# Altium PCB ssmaster.PcbDoc (part 1 of 3) (continued)
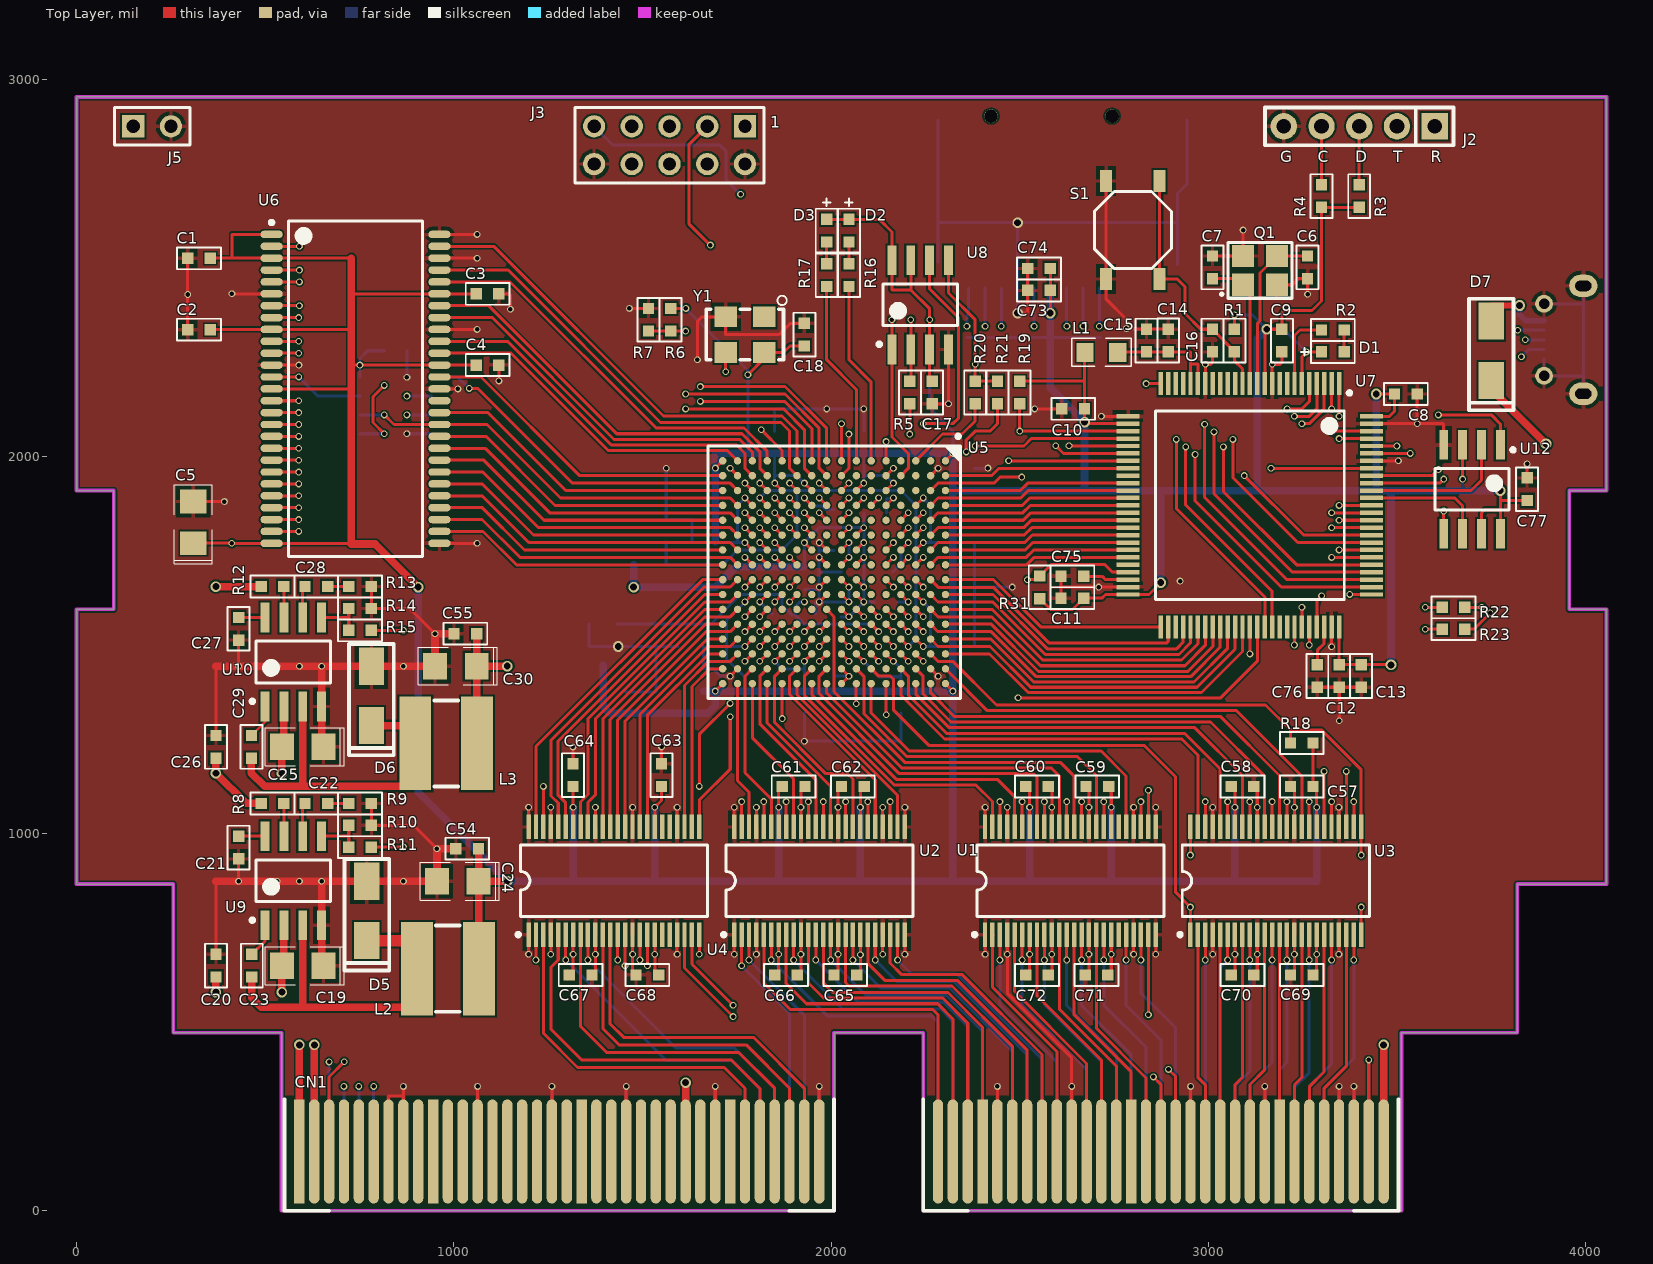
[diagram p0: Top Layer view]
## Components (designator, comment, footprint, x,y, rotation, side; value= is the part's Value field where it differs from the comment) (continued)
D7 "B340A" SMA 3750,2280 r90 top
J1 "MicroUSB" USB_MICRO_5S_B 3890,2309 r90 bottom locked
J2 "SIP5" SIP5 3400,2875 r180 top locked
J3 "JTAG" HDR2X5 1771.65,2875 r180 top
J4 "MicroSD" MICROSD-1 2300,2925 r90 bottom locked
J5 "ExtPower" HDR1X2 200,2875 r0 top
L1 "BLM21PG300SN1" R0805 2716.54,2275.59 r0 top
L2 "10uH" CDRH5D28 984.37,642 r90 top
L3 "4.7uH" CDRH5D28 979.37,1239 r90 top
L4 "BLM21PG300SN1" R0805 1519.69,1712.6 r0 bottom
Q1 "16M" SMD3225 3137,2493 r0 top
R1 "10K" R0603 3069,2307 r270 top
R2 "1K" R0603 3330,2335 r0 top
R3 "10K" R0603 3400,2690 r90 top
R4 "10K" R0603 3300,2690 r90 top
R5 "22" R0603 2208.66,2169.29 r270 top
R6 "0" R0603 1574.8,2362.2 r270 top
R7 "0(NC)" R0603 1515.75,2362.2 r90 top
R8 "100K" R0603 519.37,1080 r0 top
R9 "7.5K" R0603 751.37,1080 r180 top
R10 "10K" R0603 751.37,1022 r0 top
R11 "26.1K" R0603 751.37,964 r0 top
R12 "100K" R0603 519.37,1655 r0 top
R13 "4.99K" R0603 751.37,1655 r180 top
R14 "10K" R0603 751.37,1597 r0 top
R15 "3K" R0603 751.37,1539 r0 top
R16 "1K" R0603 2047.24,2480.32 r270 top
R17 "1K" R0603 1988.19,2480.32 r270 top
R18 "10K" R0603 3247.63,1240 r180 top
R19 "10K" R0603 2500,2169.29 r270 top
R20 "0" R0603 2381.89,2169.29 r90 top
R21 "0(NC)" R0603 2440.94,2169.29 r270 top
R22 "22" R0603 3650,1600 r0 top
R23 "22" R0603 3650,1542 r0 top
R24 "10K" R0603 2716,2345 r270 bottom
R25 "10K" R0603 2668,2345 r270 bottom
R26 "10K" R0603 2620,2345 r270 bottom
R27 "10K" R0603 2538,2345 r270 bottom
R28 "10K" R0603 2451,2345 r270 bottom
R29 "10K" R0603 2405,2345 r270 bottom
R30 "10K" R0603 2360,2345 r270 bottom
R31 "10K" R0603 2553,1653 r90 top
S1 "SW-PB" SW4_5X5 2800,2600 r90 top locked
U1 "SN74LVC164245A" DGG048 2634.37,875 r0 top locked
U2 "SN74LVC164245A" DGG048 1969.37,875 r0 top
U3 "SN74LVC164245A" DGG048 3178.87,875 r0 top locked
U4 "SN74LVC164245A" DGG048 1424.37,875 r0 top
U5 "EP4CE6F17C8" FBGA256 2007.87,1692.91 r270 top locked
U6 "K4S511632B-TC75" 54_TSOP2_400AF_N 739.37,2179 r0 top locked
U7 "STM32H750VBT6" TQFP-100 3110.24,1870.08 r270 top locked
U8 "SST25FV080B" SOIC-8 2236.22,2401.57 r90 top
U9 "MP1482" SOIC-8 574.37,875 r90 top
U10 "MP1482" SOIC-8 574.37,1455 r90 top
U11 "XC6206" sot-23-xc6206 1395.63,1501 r270 bottom
U12 "SPI_FLASH" SOIC-8 3699,1913 r270 top locked
U13 "SPI_SRAM" sop-8_n 845.63,2135 r180 bottom locked
Y1 "50Mhz" OSC_5032 1771.65,2322.83 r180 top

## Footprints (in the part's own frame and the unit in brackets; to place one, negate y for a bottom-side part, rotate by r counter-clockwise, add the part's x,y. Pads: shape width x height; smd on the part's side, far side on the other; paste and mask are expansions set on the pad)
54_TSOP2_400AF_N [mm] "SOP, 54-Leads, Body 22.5x10.16mm, Pitch 0.8mm, IPC Medium Density"
  oval 1.5x0.5 smd: 1(-5.65,10.4) 2(-5.65,9.6) 3(-5.65,8.8) 4(-5.65,8) 5(-5.65,7.2) 6(-5.65,6.4) 7(-5.65,5.6) 8(-5.65,4.8) 9(-5.65,4) 10(-5.65,3.2) 11(-5.65,2.4) 12(-5.65,1.6) 13(-5.65,0.8) 14(-5.65,0) 15(-5.65,-0.8) 16(-5.65,-1.6) 17(-5.65,-2.4) 18(-5.65,-3.2) 19(-5.65,-4) 20(-5.65,-4.8) 21(-5.65,-5.6) 22(-5.65,-6.4) 23(-5.65,-7.2) 24(-5.65,-8) 25(-5.65,-8.8) 26(-5.65,-9.6) 27(-5.65,-10.4) 28(5.65,-10.4) 29(5.65,-9.6) 30(5.65,-8.8) 31(5.65,-8) 32(5.65,-7.2) 33(5.65,-6.4) 34(5.65,-5.6) 35(5.65,-4.8) 36(5.65,-4) 37(5.65,-3.2) 38(5.65,-2.4) 39(5.65,-1.6) 40(5.65,-0.8) 41(5.65,0) 42(5.65,0.8) 43(5.65,1.6) 44(5.65,2.4) 45(5.65,3.2) 46(5.65,4) 47(5.65,4.8) 48(5.65,5.6) 49(5.65,6.4) 50(5.65,7.2) 51(5.65,8) 52(5.65,8.8) 53(5.65,9.6) 54(5.65,10.4)
  silkscreen extent -5.77,-11.3 4.5,11.32, body extent -5.08,-11.23 5.08,11.23, height 1.2
C0603 [mil]
  rect 30x30 smd: 1(30,0) 2(-30,0)
  silkscreen extent -58,-29 58,29, body extent -32,-16 31,16, height 35
C1206 [mm]
  rect 1.6x1.8 smd: 1(-1.4,0) 2(1.4,0)
  silkscreen extent -2.8,-1.27 2.54,1.27, body extent -1.57,-0.81 1.63,0.8, height 1.02
CDRH5D28 [mm]
  rect 6.3x2.15 smd: 1(0,2.075) 2(0,-2.075)
  silkscreen extent -2.9,-0.8 2.9,0.8
D0603 [mil]
  rect 30x30 smd: 1(30,0) 2(-30,0)
  silkscreen extent -58,-29 85,29, body extent -32,-16 31,16, height 35
DGG048 [mm] "Shrink Small Outline; 48 Leads; Body Width 6.1 mm; Pitch 0.5 mm"
  rect 0.3x1.65 smd: 1(-5.75,-3.625) 2(-5.25,-3.625) 3(-4.75,-3.625) 4(-4.25,-3.625) 5(-3.75,-3.625) 6(-3.25,-3.625) 7(-2.75,-3.625) 8(-2.25,-3.625) 9(-1.75,-3.625) 10(-1.25,-3.625) 11(-0.75,-3.625) 12(-0.25,-3.625) 13(0.25,-3.625) 14(0.75,-3.625) 15(1.25,-3.625) 16(1.75,-3.625) 17(2.25,-3.625) 18(2.75,-3.625) 19(3.25,-3.625) 20(3.75,-3.625) 21(4.25,-3.625) 22(4.75,-3.625) 23(5.25,-3.625) 24(5.75,-3.625) 25(5.75,3.625) 26(5.25,3.625) 27(4.75,3.625) 28(4.25,3.625) 29(3.75,3.625) 30(3.25,3.625) 31(2.75,3.625) 32(2.25,3.625) 33(1.75,3.625) 34(1.25,3.625) 35(0.75,3.625) 36(0.25,3.625) 37(-0.25,3.625) 38(-0.75,3.625) 39(-1.25,3.625) 40(-1.75,3.625) 41(-2.25,3.625) 42(-2.75,3.625) 43(-3.25,3.625) 44(-3.75,3.625) 45(-4.25,3.625) 46(-4.75,3.625) 47(-5.25,3.625) 48(-5.75,3.625)
  silkscreen extent -6.57,-3.75 6.3,2.4
FBGA256 [mm] "BGA, 256-Leads, Body 17x17mm, Pitch 1mm"
  round 0.5 smd: A1(-7.5,7.5) A2(-6.5,7.5) A3(-5.5,7.5) A4(-4.5,7.5) A5(-3.5,7.5) A6(-2.5,7.5) A7(-1.5,7.5) A8(-0.5,7.5) A9(0.5,7.5) A10(1.5,7.5) A11(2.5,7.5) A12(3.5,7.5) A13(4.5,7.5) A14(5.5,7.5) A15(6.5,7.5) A16(7.5,7.5) B1(-7.5,6.5) B2(-6.5,6.5) B3(-5.5,6.5) B4(-4.5,6.5) B5(-3.5,6.5) B6(-2.5,6.5) B7(-1.5,6.5) B8(-0.5,6.5) B9(0.5,6.5) B10(1.5,6.5) B11(2.5,6.5) B12(3.5,6.5) B13(4.5,6.5) B14(5.5,6.5) B15(6.5,6.5) B16(7.5,6.5) C1(-7.5,5.5) C2(-6.5,5.5) C3(-5.5,5.5) C4(-4.5,5.5) C5(-3.5,5.5) C6(-2.5,5.5) C7(-1.5,5.5) C8(-0.5,5.5) C9(0.5,5.5) C10(1.5,5.5) C11(2.5,5.5) C12(3.5,5.5) C13(4.5,5.5) C14(5.5,5.5) C15(6.5,5.5) C16(7.5,5.5) D1(-7.5,4.5) D2(-6.5,4.5) D3(-5.5,4.5) D4(-4.5,4.5) D5(-3.5,4.5) D6(-2.5,4.5) D7(-1.5,4.5) D8(-0.5,4.5) D9(0.5,4.5) D10(1.5,4.5) D11(2.5,4.5) D12(3.5,4.5) D13(4.5,4.5) D14(5.5,4.5) D15(6.5,4.5) D16(7.5,4.5) E1(-7.5,3.5) E2(-6.5,3.5) E3(-5.5,3.5) E4(-4.5,3.5) E5(-3.5,3.5) E6(-2.5,3.5) E7(-1.5,3.5) E8(-0.5,3.5) E9(0.5,3.5) E10(1.5,3.5) E11(2.5,3.5) E12(3.5,3.5) E13(4.5,3.5) E14(5.5,3.5) E15(6.5,3.5) E16(7.5,3.5) F1(-7.5,2.5) F2(-6.5,2.5) F3(-5.5,2.5) F4(-4.5,2.5) F5(-3.5,2.5) F6(-2.5,2.5) F7(-1.5,2.5) F8(-0.5,2.5) F9(0.5,2.5) F10(1.5,2.5) F11(2.5,2.5) F12(3.5,2.5) F13(4.5,2.5) F14(5.5,2.5) F15(6.5,2.5) F16(7.5,2.5) G1(-7.5,1.5) G2(-6.5,1.5) G3(-5.5,1.5) G4(-4.5,1.5) G5(-3.5,1.5) G6(-2.5,1.5) G7(-1.5,1.5) G8(-0.5,1.5) G9(0.5,1.5) G10(1.5,1.5) G11(2.5,1.5) G12(3.5,1.5) G13(4.5,1.5) G14(5.5,1.5) G15(6.5,1.5) G16(7.5,1.5) H1(-7.5,0.5) H2(-6.5,0.5) H3(-5.5,0.5) H4(-4.5,0.5) H5(-3.5,0.5) H6(-2.5,0.5) H7(-1.5,0.5) H8(-0.5,0.5) H9(0.5,0.5) H10(1.5,0.5) H11(2.5,0.5) H12(3.5,0.5) H13(4.5,0.5) H14(5.5,0.5) H15(6.5,0.5) H16(7.5,0.5) J1(-7.5,-0.5) J2(-6.5,-0.5) J3(-5.5,-0.5) J4(-4.5,-0.5) J5(-3.5,-0.5) J6(-2.5,-0.5) J7(-1.5,-0.5) J8(-0.5,-0.5) J9(0.5,-0.5) J10(1.5,-0.5) J11(2.5,-0.5) J12(3.5,-0.5) J13(4.5,-0.5) J14(5.5,-0.5) J15(6.5,-0.5) J16(7.5,-0.5) K1(-7.5,-1.5) K2(-6.5,-1.5) K3(-5.5,-1.5) K4(-4.5,-1.5) K5(-3.5,-1.5) K6(-2.5,-1.5) K7(-1.5,-1.5) K8(-0.5,-1.5) K9(0.5,-1.5) K10(1.5,-1.5) K11(2.5,-1.5) K12(3.5,-1.5) K13(4.5,-1.5) K14(5.5,-1.5) K15(6.5,-1.5) K16(7.5,-1.5) L1(-7.5,-2.5) L2(-6.5,-2.5) L3(-5.5,-2.5) L4(-4.5,-2.5) L5(-3.5,-2.5) L6(-2.5,-2.5) L7(-1.5,-2.5) L8(-0.5,-2.5) L9(0.5,-2.5) L10(1.5,-2.5) L11(2.5,-2.5) L12(3.5,-2.5) L13(4.5,-2.5) L14(5.5,-2.5) L15(6.5,-2.5) L16(7.5,-2.5) M1(-7.5,-3.5) M2(-6.5,-3.5) M3(-5.5,-3.5) M4(-4.5,-3.5) M5(-3.5,-3.5) M6(-2.5,-3.5) M7(-1.5,-3.5) M8(-0.5,-3.5) M9(0.5,-3.5) M10(1.5,-3.5) M11(2.5,-3.5) M12(3.5,-3.5) M13(4.5,-3.5) M14(5.5,-3.5) M15(6.5,-3.5) M16(7.5,-3.5) N1(-7.5,-4.5) N2(-6.5,-4.5) N3(-5.5,-4.5) N4(-4.5,-4.5) N5(-3.5,-4.5) N6(-2.5,-4.5) N7(-1.5,-4.5) N8(-0.5,-4.5) N9(0.5,-4.5) N10(1.5,-4.5) N11(2.5,-4.5) N12(3.5,-4.5) N13(4.5,-4.5) N14(5.5,-4.5) N15(6.5,-4.5) N16(7.5,-4.5) P1(-7.5,-5.5) P2(-6.5,-5.5) P3(-5.5,-5.5) P4(-4.5,-5.5) P5(-3.5,-5.5) P6(-2.5,-5.5) P7(-1.5,-5.5) P8(-0.5,-5.5) P9(0.5,-5.5) P10(1.5,-5.5) P11(2.5,-5.5) P12(3.5,-5.5) P13(4.5,-5.5) P14(5.5,-5.5) P15(6.5,-5.5) P16(7.5,-5.5) R1(-7.5,-6.5) R2(-6.5,-6.5) R3(-5.5,-6.5) R4(-4.5,-6.5) R5(-3.5,-6.5) R6(-2.5,-6.5) R7(-1.5,-6.5) R8(-0.5,-6.5) R9(0.5,-6.5) R10(1.5,-6.5) R11(2.5,-6.5) R12(3.5,-6.5) R13(4.5,-6.5) R14(5.5,-6.5) R15(6.5,-6.5) R16(7.5,-6.5) T1(-7.5,-7.5) T2(-6.5,-7.5) T3(-5.5,-7.5) T4(-4.5,-7.5) T5(-3.5,-7.5) T6(-2.5,-7.5) T7(-1.5,-7.5) T8(-0.5,-7.5) T9(0.5,-7.5) T10(1.5,-7.5) T11(2.5,-7.5) T12(3.5,-7.5) T13(4.5,-7.5) T14(5.5,-7.5) T15(6.5,-7.5) T16(7.5,-7.5)
  silkscreen extent -9.27,-8.5 8.5,8.5, body extent -8.5,-8.5 8.5,8.5, height 2.2
HDR1X2 [mm] "Connector; Header; 2 Position"
  rect 1.5x1.5 hole 0.9: 1(-1.27,0)
  round 1.5 hole 0.9: 2(1.27,0)
  silkscreen extent -2.54,-1.27 2.54,1.27, body extent -2.54,-1.27 2.54,1.27, height 8.6
HDR2X5 [mm] "Connector; Header; 5x2 Position"
  rect 1.5x1.5 hole 0.9: 1(0,0)
  round 1.5 hole 0.9: 2(0,2.54) 3(2.54,0) 4(2.54,2.54) 5(5.08,0) 6(5.08,2.54) 7(7.62,0) 8(7.62,2.54) 9(10.16,0) 10(10.16,2.54)
  silkscreen extent -1.27,-1.27 11.43,3.81
MICROSD-1 [mm] "MicroSD"
  rect 2x0.7 smd: 1(-12.167,10.439) 2(-12.167,9.339) 3(-12.167,8.239) 4(-12.167,7.139) 5(-12.167,6.039) 6(-12.167,4.939) 7(-12.167,3.839) 8(-12.167,2.739) 9(-12.167,1.639)
  rect 1x2 smd: 10(-10.566,15.697) 11(-10.439,-0.406)
  rect 1.7x2 smd: 12(-0.838,-0.406) 13(-0.838,16.358)
  round 0.9 hole 0.9: MH1(-0.584,11.303) MH2(-0.584,3.15)
  silkscreen extent -11.17,0.84 3.56,15.54, body extent -11.82,0.13 3.43,16.13, height 1.85
OSC_5032 [mm]
  rect 1.5x1.4 smd: 1(-1.3,-1.2) 2(1.3,-1.2) 3(1.3,1.2) 4(-1.3,1.2)
  silkscreen extent -2.82,-2.62 2.6,1.7
R0603 [mil]
  rect 30x30 smd: 1(30,0) 2(-30,0)
  silkscreen extent -58,-29 58,29, body extent -32,-16 31,16, height 36
R0805 [mm]
  rect 1.15x1.3 smd: 1(-1.1,0) 2(1.1,0)
  silkscreen extent -2.01,-0.94 2.01,0.97, body extent -1,-0.61 1,0.6, height 0.5
SATURN_CART [mm]
  rect 0.7x7 smd far side: A1(0,0) A10(9,0) A20(19,0) A30(29,0) A40(46,0) A50(56,0) A60(66,0)
  oval 0.7x7 smd far side: A2(1,0) A3(2,0) A4(3,0) A5(4,0) A6(5,0) A7(6,0) A8(7,0) A9(8,0) A11(10,0) A12(11,0) A13(12,0) A14(13,0) A15(14,0) A16(15,0) A17(16,0) A18(17,0) A19(18,0) A21(20,0) A22(21,0) A23(22,0) A24(23,0) A25(24,0) A26(25,0) A27(26,0) A28(27,0) A29(28,0) A31(30,0) A32(31,0) A33(32,0) A34(33,0) A35(34,0) A36(35,0) A37(43,0) A38(44,0) A39(45,0) A41(47,0) A42(48,0) A43(49,0) A44(50,0) A45(51,0) A46(52,0) A47(53,0) A48(54,0) A49(55,0) A51(57,0) A52(58,0) A53(59,0) A54(60,0) A55(61,0) A56(62,0) A57(63,0) A58(64,0) A59(65,0) A61(67,0) A62(68,0) A63(69,0) A64(70,0) A65(71,0) A66(72,0) A67(73,0)
  rect 0.7x7 smd: B1(0,0) B10(9,0) B20(19,0) B30(29,0) B40(46,0) B50(56,0) B60(66,0)
  oval 0.7x7 smd: B2(1,0) B3(2,0) B4(3,0) B5(4,0) B6(5,0) B7(6,0) B8(7,0) B9(8,0) B11(10,0) B12(11,0) B13(12,0) B14(13,0) B15(14,0) B16(15,0) B17(16,0) B18(17,0) B19(18,0) B21(20,0) B22(21,0) B23(22,0) B24(23,0) B25(24,0) B26(25,0) B27(26,0) B28(27,0) B29(28,0) B31(30,0) B32(31,0) B33(32,0) B34(33,0) B35(34,0) B36(35,0) B37(43,0) B38(44,0) B39(45,0) B41(47,0) B42(48,0) B43(49,0) B44(50,0) B45(51,0) B46(52,0) B47(53,0) B48(54,0) B49(55,0) B51(57,0) B52(58,0) B53(59,0) B54(60,0) B55(61,0) B56(62,0) B57(63,0) B58(64,0) B59(65,0) B61(67,0) B62(68,0) B63(69,0) B64(70,0) B65(71,0) B66(72,0) B67(73,0)
  silkscreen extent -1,-4 74,3.5
SIP5 [mil]
  rect 70x70 hole 39: 1(-200,0)
  round 70 hole 39: 2(-100,0) 3(0,0) 4(100,0) 5(200,0)
  silkscreen extent -250,-50 250,50
SMA [mm]
  rect 2.5x1.7 smd: 1(2,0) 2(-2,0)
  silkscreen extent -4,-1.5 3.5,1.5
SMD3225 [mm]
  rect 1.5x1.5 smd: 1(-1.15,-0.975) 2(1.15,-0.975) 3(1.15,0.975) 4(-1.15,0.975)
  silkscreen extent -2.66,-1.88 2.15,1.88, body extent -1.6,-1.25 1.6,1.25, height 0.61
SOIC-8 [mm]
  rect 2x0.6 smd: 1(-3,1.905) 2(-3,0.635) 3(-3,-0.635) 4(-3,-1.905) 5(3,-1.905) 6(3,-0.635) 7(3,0.635) 8(3,1.905)
  silkscreen extent -2.77,-2.5 1.4,2.88, body extent -3.05,-2.44 3.05,2.46, height 1.51
sop-8_n [mm] "8-Pin Small Outline Integrated Circuit 1.27 mm Pitch, IPC Medium Density"
  oval 2.2x0.6 smd: 1(-2.4,1.905) 2(-2.4,0.635) 3(-2.4,-0.635) 4(-2.4,-1.905) 5(2.4,-1.905) 6(2.4,-0.635) 7(2.4,0.635) 8(2.4,1.905)
  silkscreen extent -2.53,-2.5 0.9,2.88, body extent -2.92,-2.45 2.86,2.45, height 1.45
sot-23-xc6206 [mm]
  rect 1.25x0.85 smd: 1(-1.395,0.95) 2(-1.395,-0.95) 3(1.395,0)
  silkscreen extent -1.42,-1.5 0.7,2.05, body extent -1.12,-1.47 1.17,1.45, height 1.04
SW4_5X5 [mm]
  rect 1.5x0.8 smd: 1(-3.3,1.8) 1(3.3,1.8) 2(-3.3,-1.8) 2(3.3,-1.8)
  silkscreen extent -2.6,-2.6 2.6,2.6
TQFP-100 [mm]
  rect 1.55x0.3 smd: 1(-8.2,6) 2(-8.2,5.5) 3(-8.2,5) 4(-8.2,4.5) 5(-8.2,4) 6(-8.2,3.5) 7(-8.2,3) 8(-8.2,2.5) 9(-8.2,2) 10(-8.2,1.5) 11(-8.2,1) 12(-8.2,0.5) 13(-8.2,0) 14(-8.2,-0.5) 15(-8.2,-1) 16(-8.2,-1.5) 17(-8.2,-2) 18(-8.2,-2.5) 19(-8.2,-3) 20(-8.2,-3.5) 21(-8.2,-4) 22(-8.2,-4.5) 23(-8.2,-5) 24(-8.2,-5.5) 25(-8.2,-6) 51(8.2,-6) 52(8.2,-5.5) 53(8.2,-5) 54(8.2,-4.5) 55(8.2,-4) 56(8.2,-3.5) 57(8.2,-3) 58(8.2,-2.5) 59(8.2,-2) 60(8.2,-1.5) 61(8.2,-1) 62(8.2,-0.5) 63(8.2,0) 64(8.2,0.5) 65(8.2,1) 66(8.2,1.5) 67(8.2,2) 68(8.2,2.5) 69(8.2,3) 70(8.2,3.5) 71(8.2,4) 72(8.2,4.5) 73(8.2,5) 74(8.2,5.5) 75(8.2,6)
  rect 0.3x1.55 smd: 26(-6,-8.2) 27(-5.5,-8.2) 28(-5,-8.2) 29(-4.5,-8.2) 30(-4,-8.2) 31(-3.5,-8.2) 32(-3,-8.2) 33(-2.5,-8.2) 34(-2,-8.2) 35(-1.5,-8.2) 36(-1,-8.2) 37(-0.5,-8.2) 38(0,-8.2) 39(0.5,-8.2) 40(1,-8.2) 41(1.5,-8.2) 42(2,-8.2) 43(2.5,-8.2) 44(3,-8.2) 45(3.5,-8.2) 46(4,-8.2) 47(4.5,-8.2) 48(5,-8.2) 49(5.5,-8.2) 50(6,-8.2) 76(6,8.2) 77(5.5,8.2) 78(5,8.2) 79(4.5,8.2) 80(4,8.2) 81(3.5,8.2) 82(3,8.2) 83(2.5,8.2) 84(2,8.2) 85(1.5,8.2) 86(1,8.2) 87(0.5,8.2) 88(0,8.2) 89(-0.5,8.2) 90(-1,8.2) 91(-1.5,8.2) 92(-2,8.2) 93(-2.5,8.2) 94(-3,8.2) 95(-3.5,8.2) 96(-4,8.2) 97(-4.5,8.2) 98(-5,8.2) 99(-5.5,8.2) 100(-6,8.2)
  silkscreen extent -7.7,-6.35 6.35,6.83, body extent -8.03,-8.03 8.03,8.02, height 1.76
USB_MICRO_5S_B [mil] "USB Micro SMT 5S B"
  rect 15x54 smd: 1(51,0) 2(25.5,0) 3(0,0) 4(-25.5,0) 5(-51,0)
  oval 59.06x74.8 hole 27.56 slot 43.31 at 90 deg: 6(-143,104) 7(143,104)
  round 47.24 hole 27.5: 8(95.5,0) 9(-95.5,0)
  silkscreen extent -143,0 143,189, body extent -161,-9 161,204, height 105

## Part data
C1 C2 C3 C4 C5 C6 C7 C8 C9 C10 C11 C12 C13 C14 C15 C16 C17 C18 C19 C20 C21 C22 C23 C24 C25 C26 C27 C28 C29 C30 C31 C32 C33 C34 C35 C36 C37 C38 C39 C40 C41 C42 C43 C44 C45 C46 C47 C48 C49 C50 C51 C52 C53 C54 C55 C56 C57 C58 C59 C60 C61 C62 C63 C64 C65 C66 C67 C68 C69 C70 C71 C72 C73 C74 C75 C76 C77 C78: library part Cap, "Capacitor"
D1 D2 D3: library part LED1, "Typical RED GaAs LED"
D5 D6 D7: library part "DIODE SCHOTTKY", "Schottky Diode"
J1: library part USB_Micro_5S_B, "USB micro female SMT with 4 fixed foot"
J3: library part "Header 5X2", "Header, 5-Pin, Dual row"
J5: library part "Header 2", "Header, 2-Pin"
L1 L2 L3 L4: library part Inductor, "Inductor"
Q1: library part XTAL_SMD2016_32MHz_8pF_General, "XTAL SMD 2016, 32MHz, Cl=8pF, Total Tol: ±40ppm"
R1 R2 R3 R4 R5 R6 R7 R8 R9 R10 R11 R12 R13 R14 R15 R16 R17 R18 R19 R20 R21 R22 R23 R24 R25 R26 R27 R28 R29 R30 R31: library part Res2, "Resistor"
S1: "Switch"
U5: "Cyclone IV Family FPGA, 2V Core, 179 I/O Pins, 2 PLLs, 256-Pin FBGA, Speed Grade 8, Commercial Grade"
U6: "512Mb Synchronous High Data Rate DRAM, 8Mb x 16Bit x 4 Banks, 54-Pin TSOP"
U11: "LDO"
U12 U13: library part SPIMEM
Y1: library part JZSMD5X7

## Via types
v1: diameter 18, hole 12, Top Layer to Bottom Layer, 444 vias
v2: diameter 28, hole 18, Top Layer to Bottom Layer, 25 vias

## Nets (pads, with @x,y where several pads share a name; then routed paths per layer and width w, separated by ;. In a path a pad name is that pad's centre, name@x,y a point inside that pad or via, vN(x,y) a via of type N, cw(c..) or ccw(c..) an arc to the next point about the centre after c; other vN are vias at no path point)
1V2: C30.1 C33.2 C34.2 C35.2 C36.2 C37.2 C38.2 C55.2 L3.2 L4.1 R15.1 U5.G6 U5.G7 U5.G8 U5.G9 U5.G10 U5.H6 U5.H11 U5.K7 | length 2583.1
  Top Layer w8: R15.1@781.37,1539 v1@865.77,1539 ; v1(1929.13,1771.65) U5.K7@1948.82,1751.97 ; U5.H11@2027.56,1594.49 v1(2047.24,1574.8) ; U5.H6@2027.56,1791.34 v1(2047.24,1811.02) ; U5.G10@2066.93,1633.86 v1(2086.62,1614.17) ; U5.G9@2066.93,1673.23 v1(2086.62,1653.54) ; U5.G8@2066.93,1712.6 v1(2086.62,1732.28) ; U5.G7@2066.93,1751.97 v1(2086.62,1771.65) ; U5.G6@2066.93,1791.34 v1(2086.62,1811.02)
  Top Layer w20: C30.1@1060.49,1444 C30.1@1061.06,1444 ; L3.2@1061.06,1239 C30.1@1061.06,1444 ; C55.2@1061.06,1529.31 C30.1@1061.06,1444 ; v2(1141.73,1444) C30.1@1061.06,1444
  Mid-Layer 1 w8: v1(866.14,1539.37) 961.51,1444 v2(1141.73,1444)
  Mid-Layer 1 w20: v2(1141.73,1444) 1141.73,1535.43 1259.84,1653.54 v2(1476.38,1653.54)
  Bottom Layer w8: v1(1929.13,1771.65) 1968.58,1811.1 C35.2@2007.87,1811.1 ; C37.2@1929.37,1707.44 v1@1929.37,1771.42 ; C35.2@2007.87,1811.02 v1(2047.24,1811.02) v1(2086.62,1811.02) ; C38.2@2026.06,1574.8 v1(2047.24,1574.8) v1(2086.62,1614.17) ; C33.2@2086.61,1850.39 v1(2086.62,1811.02) ; C34.2@2115.67,1614.17 v1(2086.62,1614.17) ; v1(2086.62,1614.17) v1(2086.62,1653.54) v1(2086.62,1732.28) v1(2086.62,1771.65) v1(2086.62,1811.02)
  Bottom Layer w20: L4.1@1476.38,1712.6 v2(1476.38,1653.54) 1692.91,1653.54 1746.81,1707.44 C37.2@1929.37,1707.44
2V5: C32.2 C52.2 C53.2 C56.2 U5.F12 U5.L5 U11.2 | length 1164.9
  Top Layer w8: v1(1889.76,1850.39) U5.L5@1909.45,1830.71 ; U5.F12@2106.3,1555.12 v1(2125.99,1535.43)
  Mid-Layer 1 w8: v1(1889.76,1850.39) 1889.76,1838.58 1909.45,1818.9 1909.45,1633.86 v1(1929.13,1614.17)
  Bottom Layer w8: U11.2@1433.03,1555.92 1536.29,1555.92 C32.2@1536.37,1556 ; C32.2@1536.37,1555.92 1681.91,1555.92 1759.84,1633.86 1859.77,1633.86 1869.63,1624 1869.63,1606 C52.2@1895.75,1579.88 ; v1(1929.13,1614.17) 1916.8,1614.17 1904.37,1601.74 C52.2@1904.37,1582 1904.37,1579.88 1929.13,1555.12 2106.3,1555.12 v1(2125.99,1535.43) ; C53.2@2007.87,1518.19 2007.87,1555.12
3V3: C1.2 C2.2 C3.2 C4.2 C5.1 C8.2 C9.2 C10.2 C11.2 C12.2 C13.2 C17.2 C18.2 C24.1 C31.2 C39.2 C40.2 C41.2 C42.2 C43.2 C44.2 C45.2 C46.2 C47.2 C48.2 C54.2 C57.2 C58.2 C59.2 C60.2 C61.2 C62.2 C63.2 C64.2 C73.2 C74.2 C77.2 C78.2 D1.1 D2.1 D3.1 J3.4 J4.4 L1.1 L2.2 R1.2 R3.2 R4.2 R6.2 R11.1 R18.2 R19.2 R24.1 R25.1 R26.1 R27.1 R28.1 R29.1 R30.1 R31.2 U1.31 U1.42 U2.31 U2.42 U3.31 U3.42 U4.31 U4.42 U5.A1 U5.A16 U5.C4 U5.C7 U5.C10 U5.C13 U5.E3 U5.E14 U5.G3 U5.G14 U5.K3 U5.K14 U5.M3 U5.M14 U5.P4 U5.P7 U5.P10 U5.P13 U5.T1 U5.T16 U6.1 U6.3 U6.9 U6.14 U6.27 U6.43 U6.49 U7.6 U7.11 U7.27 U7.50 U7.75 U7.100 U8.3 U8.7 U8.8 U11.3 U12.3 U12.7 U12.8 U13.8 Y1.4 | length 23695.2
  Top Layer w8: C5.1@309.37,1769.88 v1(411.48,1769.88) ; C1.2@354.83,2525.46 411.81,2525.46 ; C2.2@354.85,2336.48 U6.9@516.93,2336.48 726.51,2336.48 ; v1@411.81,1769.55 U6.27@516.93,1769.55 726.51,1769.55 ; U6.14@516.93,2179 726.24,2179 ; U6.1@516.93,2588.45 411.81,2588.45 411.81,2525.46 ; 726.51,2525.46 U6.3@516.93,2525.46 411.81,2525.46 ; 730.18,2241.99 U6.43@961.81,2241.99 C4.2@1059.37,2242 ; 730.45,2430.97 U6.49@961.81,2430.97 C3.2@1059.37,2431 ; R11.1@781.37,964 v1@865.58,964 ; U4.42@1316.1,1017.72 v1(1316.1,1070) C64.2@1316.1,1124.53 ; U4.31@1532.64,1017.72 v1(1532.64,1070) 1550.63,1087.99 C63.2@1550.63,1125 ; R6.2@1574.8,2392.2 v1(1615,2392.2) ; v1(1692.91,1377.95) U5.T16@1712.6,1397.64 ; v1(1693.41,1969) U5.T1@1712.6,1988.19 ; v1(1771.65,1496.06) U5.P13@1791.34,1515.75 ; v1(1771.65,1614.17) U5.P10@1791.34,1633.86 ; v1(1771.65,1771.65) U5.P7@1791.34,1751.97 ; v1(1771.65,1889.76) U5.P4@1791.34,1870.08 ; v1(1779.53,2216.54) 1822.83,2259.84 Y1.4@1822.83,2275.59 1874.02,2275.59 1891.26,2292.83 C18.2@1929.13,2292.83 ; v1(1850.39,1456.69) U5.M14@1870.08,1476.38 ; v1(1850.39,1929.13) U5.M3@1870.08,1909.45 ; U2.42@1861.1,1017.72 v1(1861.1,1070) C61.2@1861.1,1115.47 ; v1(1929.13,1456.69) U5.K14@1948.82,1476.38 ; v1(1929.13,1929.13) U5.K3@1948.82,1909.45 ; D3.1@1988.19,2628.43 2127.48,2628.43 2161.22,2594.68 U8.8@2161.22,2519.68 2161.22,2441.14 2211.22,2441.14 ; U5.G14@2066.93,1476.38 v1(2086.62,1456.69) ; U5.G3@2066.93,1909.45 v1(2086.62,1929.13) ; U2.31@2077.64,1017.72 v1(2077.64,1070) C62.2@2077.64,1115.01 ; U5.E14@2145.67,1476.38 v1(2165.36,1456.69) ; U5.E3@2145.67,1909.45 v1(2165.36,1929.13) ; U8.7@2211.22,2519.68 2211.22,2441.14 ; U5.C13@2224.41,1515.75 v1(2244.1,1496.06) ; U5.C10@2224.41,1633.86 v1(2244.1,1614.17) ; U5.C7@2224.41,1751.97 v1(2244.1,1771.65) ; U5.C4@2224.41,1870.08 v1(2244.1,1889.76) ; C17.2@2261.22,2205.79 U8.3@2261.22,2283.46 v1(2261.22,2362.2) 2261.22,2391.14 2211.22,2441.14 ; U5.A16@2303.15,1397.64 v1(2322.84,1377.95) ; U5.A1@2303.15,1988.19 v1(2322.84,2007.88) ; R19.2@2500,2199.29 2669.29,2199.29 ; U1.42@2526.1,1017.72 v1(2526.1,1070) C60.2@2526.1,1114.53 ; R31.2@2553,1623 2582,1594 2639.63,1594 C11.2@2669.63,1624 2717.63,1624 2727.49,1633.86 U7.50@2787.4,1633.86 2842.52,1633.86 v2(2874.02,1665.35) ; v2@2581,2380.08 C73.2@2581,2440 C74.2@2581,2498 ; v2@2671.73,2091 C10.2@2671.73,2125.98 L1.1@2671.73,2274.09 ; v2@2676.12,2086.61 U7.27@2787.4,2086.61 ; U1.31@2742.64,1017.72 v1(2742.64,1070) C59.2@2742.64,1117.99 ; R1.2@3069,2337 v1(3069,2375) ; U3.42@3070.6,1017.72 v1(3070.6,1070) C58.2@3070.6,1115.03 ; U7.11@3149.61,2192.91 3149.61,2331.61 v2(3155,2337) C9.2@3195,2337 3195,2382 3200,2387 3275,2387 3300,2412 R4.2@3300,2660 R3.2@3400,2660 ; U7.6@3248.03,2192.91 3248.03,2265.03 v1(3260,2277) D1.1@3300,2277 ; C57.2@3277.63,1125 R18.2@3277.63,1240 ; U3.31@3287.14,1017.72 v1(3287.14,1070) C57.2@3287.14,1115.49 ; C12.2@3346.46,1445.09 U7.75@3346.46,1547.24 ; C12.2@3347,1448 C13.2@3405,1448 3483.57,1448 v2(3484.25,1447.32) ; U7.100@3433.07,2106.3 3480.31,2106.3 3493.62,2119.61 C8.2@3493.62,2165.35 v2(3444.88,2165.35) ; v1(3674,1940) U12.3@3674,2031.11 ; U12.7@3724,1794.89 3724,1850 3732,1858 3774,1858 ; U12.8@3774,1794.89 3774,1858 ; v2(3774,1909.45) 3774,1858 ; 3774.72,1883 C77.2@3845,1883
  Top Layer w20: 728.35,2525.46 728.35,1767.72 791.34,1767.72 v2(905.51,1653.54) ; C24.1@1065.49,874 v2@1141.72,874 ; L2.2@1066.06,642 C54.2@1066.06,959.31
  Mid-Layer 1 w8: v1(866.14,964.57) 956.69,874.02 v2(1141.73,874.02) ; v1(1615,2392.2) 1615,2718.35 J3.4@1671.65,2775
  Bottom Layer w8: U13.8@751.14,2210 v1(751.14,2242) 751.14,2259.51 771.63,2280 C78.2@815.63,2280 ; v1(1615,2392.2) 1779.53,2227.68 v1(1779.53,2216.54) 1779.53,2007.88 ; C40.2@1694.41,1771.65 1751.97,1771.65 ; 1770.16,1379.45 1770.16,1415.83 1722.91,1463.07 C41.2@1722.91,1496.06 ; v1(1771.65,1496.06) C41.2@1722.91,1496.06 ; v1(1771.65,1614.17) 1722.91,1565.43 C41.2@1722.91,1496.06 ; v1(1771.65,1771.65) 1751.97,1771.65 ; v1(1771.65,1889.76) 1751.97,1870.08 1751.97,1771.65 ; v1(1850.39,1456.69) 1870.08,1437.01 1929.13,1437.01 ; v1(1850.39,1929.13) 1850.39,1948.82 ; C47.2@1850.39,2005.43 1850.39,1948.82 ; C42.2@1929.13,1380.39 1929.13,1437.01 ; v1(1929.13,1456.69) 1929.13,1437.01 ; v1(1929.13,1929.13) 1909.45,1948.82 1850.39,1948.82 ; v1(2086.62,1456.69) 2127.48,1415.83 2185.04,1415.83 ; v1(2086.62,1929.13) 2086.62,1948.82 ; C46.2@2086.61,2005.43 2086.62,1948.82 ; v1(2165.36,1456.69) 2185.04,1437.01 C43.2@2185.04,1380.39 ; v1(2165.36,1929.13) 2145.67,1948.82 2086.62,1948.82 ; v1(2244.1,1496.06) 2263.78,1496.06 ; v1(2244.1,1614.17) 2263.78,1594.49 2263.78,1496.06 ; v1(2244.1,1771.65) 2263.78,1771.65 ; v1(2244.1,1889.76) 2263.78,1870.08 2263.78,1771.65 ; v1(2261.22,2362.2) 2261.22,2128.54 2322.84,2066.93 v1(2322.84,2007.88) ; 2304.64,1496.06 2263.78,1496.06 ; 2304.65,1771.65 2263.78,1771.65 ; R30.1@2360,2315 R29.1@2405,2315 R28.1@2451,2315 R27.1@2538,2315 2581.08,2315 R26.1@2620,2315 R25.1@2668,2315 R24.1@2716,2315 ; v1(3069,2375) 3117,2375 v2(3155,2337) 3200,2337 v1(3260,2277) ; 3674,1909.45 v1(3674,1940)
  Bottom Layer w20: v2(905.51,1653.54) 905.51,1110.24 v2(1141.73,874.02) 3287.14,874.02 v1(3287.14,1070) ; 1316.1,874.54 v1(1316.1,1070) ; U11.3@1395.63,1446.08 1395.56,1446.01 C31.2@1395.56,1375 1395.56,1336.72 1413.39,1318.9 1673.23,1318.9 1692.91,1338.58 v1(1692.91,1377.95) 1988.19,1377.95 v1(2322.84,1377.95) ; 1532.64,875.02 v1(1532.64,1070) ; C39.2@1662.37,1378 v1(1692.91,1377.95) ; C40.2@1692.91,1773.15 1692.91,2007.88 1779.53,2007.88 C46.2@2086.62,2007.88 ; 1861.1,874 v1(1861.1,1070) ; 2077.64,874 v1(2077.64,1070) ; C46.2@2089.06,2007.88 v1(2322.84,2007.88) 2322.84,1909.45 ; 2322.84,874.81 v1(2322.84,1377.95) ; 2526.1,874 v1(2526.1,1070) ; J4.4@2581.08,2446 v2(2581.08,2380) 2581.08,2315 2581.08,2181.92 v2(2672,2091) ; 2671.73,1910.94 v2@2671.73,2091 ; 2742.64,875 v1(2742.64,1070) ; v2(2874.02,1665.35) 2874.02,1909.45 ; 3070.6,874 v1(3070.6,1070) ; v2(3155,2337) 3129.92,2311.92 3129.92,1909.45 ; 3444.88,1909.45 v2(3444.88,2165.35) ; v2(3484.25,1447.32) 3484.25,1909.2 ; v2(3774,1909.45) 3674,1909.45 3129.92,1909.45 ; v1(2322.84,1377.95) 2322.84,1909.45 ; 2322.84,1909.45 2874.02,1909.45 ; 2874.02,1909.45 3129.92,1909.45
5V: C19.2 C20.2 C25.2 C26.2 C65.2 C66.2 C67.2 C68.2 C69.2 C70.2 C71.2 C72.2 CN1.A1 CN1.A2 CN1.A27 CN1.A67 CN1.B1 CN1.B2 CN1.B27 CN1.B67 D7.2 J5.1 R8.2 R12.2 U1.7 U1.18 U2.7 U2.18 U3.7 U3.18 U4.7 U4.18 U4.24 U9.2 U10.2 | length 12230
  Top Layer w8: C67.2@1300.63,615 C67.2@1300.63,636 ; C67.2@1316.1,636.1 v1(1316.1,680) U4.7@1316.1,732.28 ; C68.2@1532.64,635.36 v1(1532.64,680) U4.18@1532.64,732.28 ; v1(1650.75,680) U4.24@1650.75,732.28 ; C66.2@1861.1,635.47 v1(1861.1,680) U2.7@1861.1,732.28 ; C65.2@2077.64,635.01 v1(2077.64,679) U2.18@2077.64,732.28 ; C72.2@2526.1,635.47 v1(2526.1,680) U1.7@2526.1,732.28 ; C71.2@2742.64,634.01 v1(2742.64,680) U1.18@2742.64,732.28 ; C70.2@3070.6,634.97 v1(3070.6,680) U3.7@3070.6,732.28 ; C69.2@3287.14,634.51 v1(3287.14,680) U3.18@3287.14,732.28
  Top Layer w20: v2(369.37,580) C20.2@369.37,620 ; C26.2@369.37,1200 v2(369.37,1160) 449.37,1080 R8.2@489.37,1080 ; v2(369.37,1655) R12.2@489.37,1655 ; v2(544.25,580) C19.2@544.25,650 ; v2(544.25,1160) C25.2@544.25,1230 ; C19.2@549.37,655.12 U9.2@549.37,756.89 ; C25.2@549.37,1235.12 U10.2@549.37,1336.89 ; CN1.B1@590.55,157.48 v2(590.55,440) ; CN1.B2@629.92,157.48 v2@629.92,440 ; CN1.B27@1614.17,157.48 1614.17,339.8 v2(1614.37,340) ; CN1.B67@3464.57,157.48 v2(3464.57,440) ; D7.2@3750,2201.26 3750,2178 v2(3895,2033)
  Mid-Layer 1 w20: J5.1@150,2875 150,1874.37 v2(369.37,1655) v2(369.37,1160) ; v2(544.25,1160) v2(369.37,1160) ; v2(630.37,440) v2(590.55,440) 590.55,533.7 v2(544.25,580) ; v1(1316.1,680) 1316.1,719.9 ; v1(1532.64,680) 1532.64,719.36 ; v2(1614.37,340) 1650.75,376.38 v1(1650.75,680) 1650.75,719.25 ; v1(1861.1,680) 1861.1,719.1 ; v1(2077.64,679) 2077.64,719.36 ; v1(2526.1,680) 2526.1,719.9 ; v1(2742.64,680) 2742.64,719.36 ; v1(3070.6,680) 3070.6,719.4 ; v1(3287.14,680) 3287.14,718.14 ; v2(3464.57,440) 3464.57,719.57 3895,1150 v2(3895,2033) ; 3464.57,720 1108,720 968,580 v2(544.25,580) ; v2(369.37,1160) v2(369.37,580) v2(544.25,580)
  Bottom Layer w20: CN1.A1@590.55,157.48 v2(590.55,440) ; CN1.A2@629.92,157.48 v2@629.92,440 ; CN1.A27@1614.17,157.48 1614.17,339.8 v2(1614.37,340) ; CN1.A67@3464.57,157.48 v2(3464.57,440)
AA0: CN1.B45 U1.2 | length 647.9
  Top Layer w8: U1.2@2429.36,730.6 U1.2@2427.68,732.28 2427.68,592.95 2598.43,422.2 CN1.B45@2598.43,157.48
AA1: CN1.A45 U1.3 | length 637.4
  Top Layer w8: v1(2447.36,665) U1.3@2447.36,732.28
  Bottom Layer w8: v1(2447.36,665) 2447.36,545.64 2598.43,394.57 CN1.A45@2598.43,157.48
AA2: CN1.B44 U2.22 | length 835.5
  Top Layer w8: U2.22@2156.38,732.28 2156.38,656.99 2187.37,626 2347.63,626 2559.06,414.57 CN1.B44@2559.06,157.48
AA3: CN1.B43 U2.19 | length 862.4
  Top Layer w8: U2.19@2097.32,732.28 2097.32,656.05 2142.37,611 2334.63,611 2519.69,425.94 CN1.B43@2519.69,157.48
AA4: CN1.B42 U2.16 | length 917.8
  Top Layer w8: U2.16@2038.27,732.28 2038.27,605.36 2047.63,596 2320.63,596 2480.32,436.31 CN1.B42@2480.32,157.48
AA5: CN1.B40 U2.13 | length 928.4
  Top Layer w8: U2.13@1979.21,732.28 1979.21,604.42 2004.63,579 2309.63,579 2401.58,487.05 CN1.B40@2401.58,157.48
AA6: CN1.B39 U2.11 | length 934.9
  Top Layer w8: U2.11@1939.84,732.28 1939.84,603.79 1979.63,564 2295.63,564 2362.21,497.42 CN1.B39@2362.21,157.48
AA7: CN1.B38 U2.8 | length 961.8
  Top Layer w8: U2.8@1880.79,732.28 1880.79,602.84 1934.63,549 2282.63,549 2322.84,508.79 CN1.B38@2322.84,157.48
AA8: CN1.A40 U2.14 | length 866.4
  Top Layer w8: v1(1998.9,665) U2.14@1998.9,732.28
  Bottom Layer w8: v1(1998.9,665) 2092.9,571 2306,571 2401.58,475.42 CN1.A40@2401.58,157.48